# Altium PCB PCB_Kasli.PCBDOC (part 6 of 16)
Units mm, origin at the board's own origin, x right, y up, seen from the top; angles counter-clockwise.
Board outline 200.3 x 100 mm, 6 copper layers (TopLayer, MidLayer1, MidLayer2, SignalLayer1, Internal Plane 1, BottomLayer), stack 1.528 mm thick; 775 components, 636 nets, 3136 pads, 1724 vias.
Unrouted connection lines stored in the file: 7.
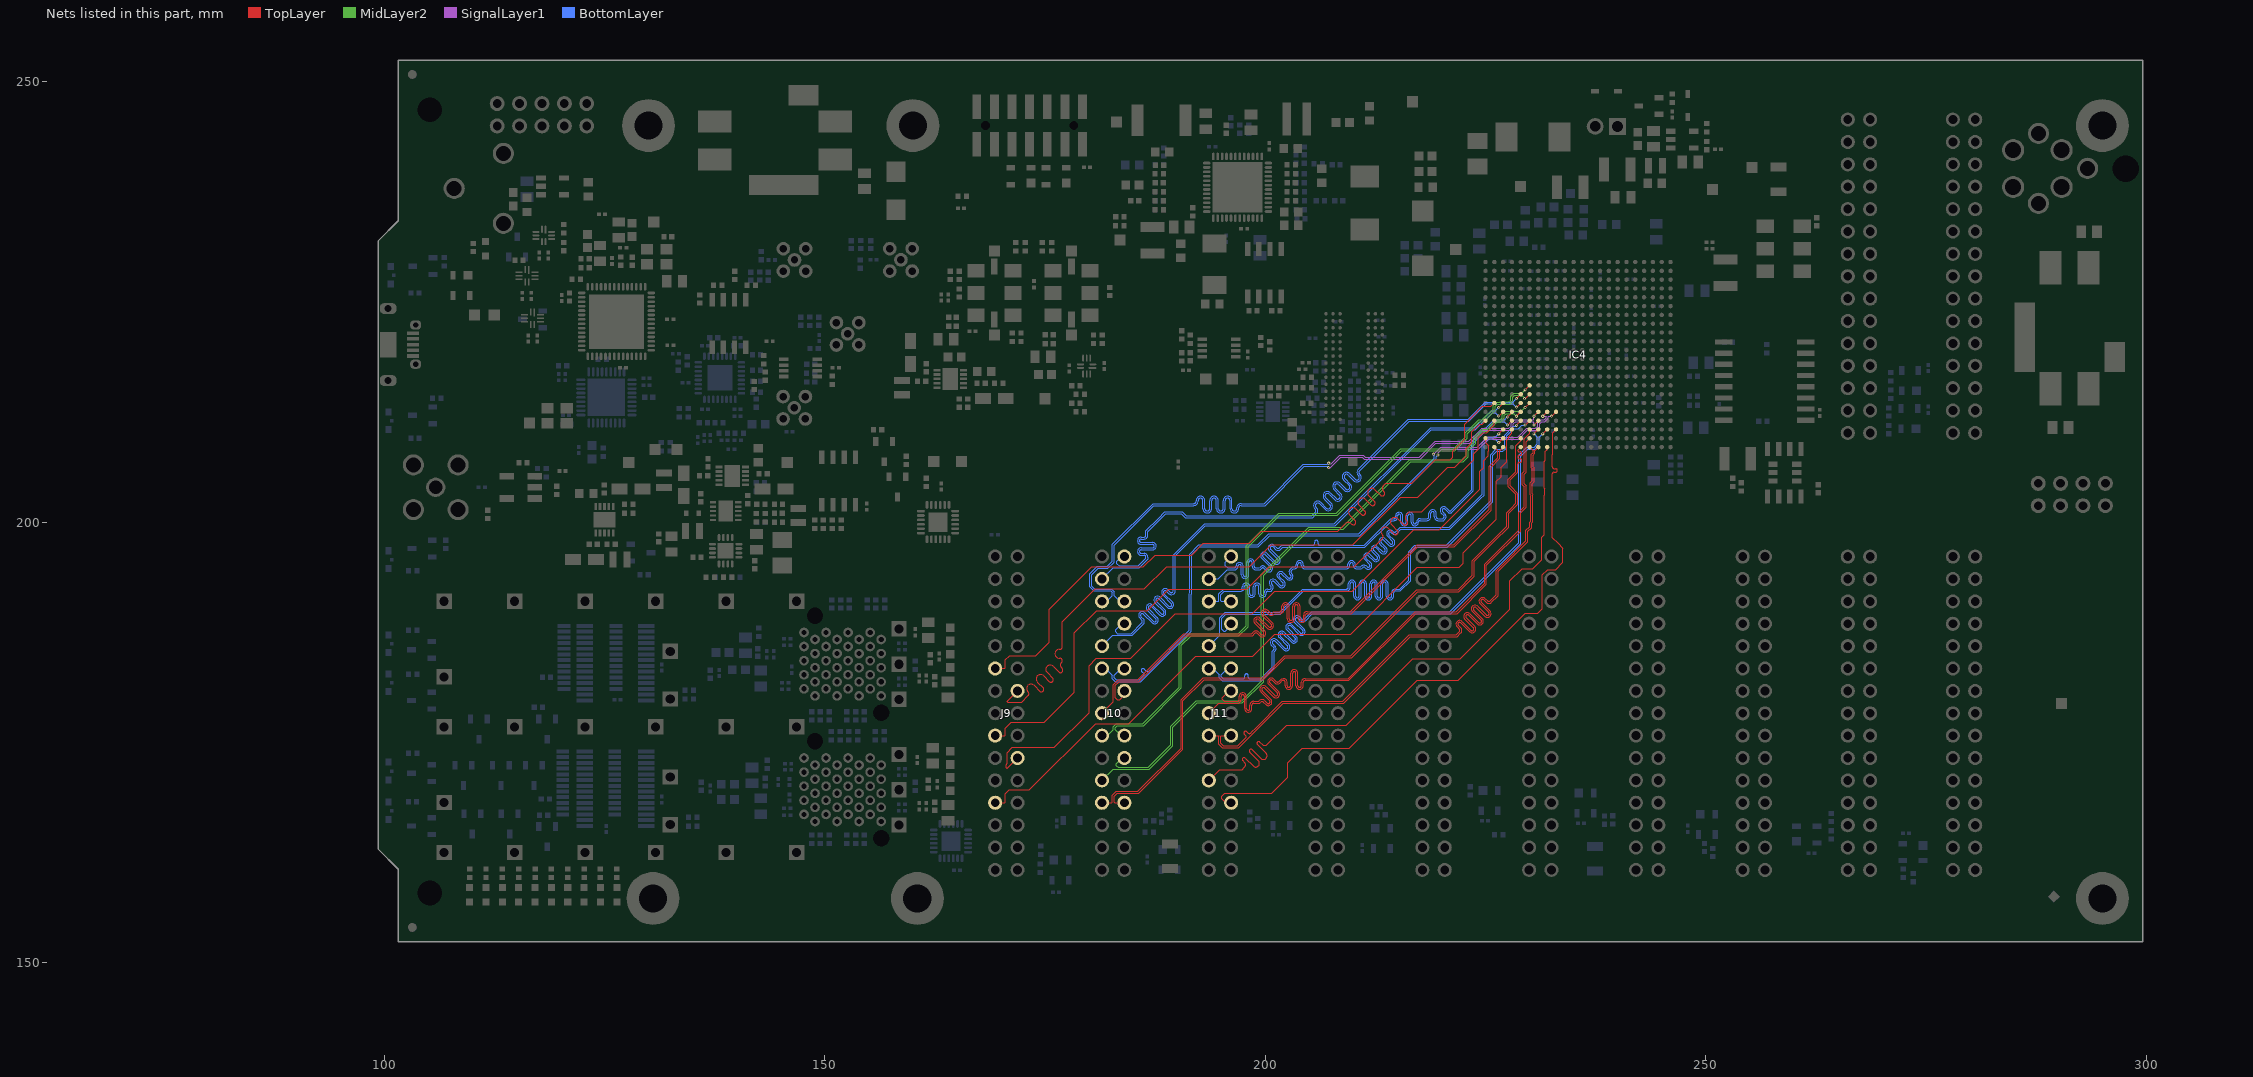
[diagram p10: the nets of this part, all layers, seen from the top]

## Via types
v1: diameter 0.5, hole 0.2, TopLayer to BottomLayer, tented both sides, 845 vias
v2: diameter 0.35, hole 0.15, TopLayer to BottomLayer, tented both sides, 612 vias
v3: diameter 0.8, hole 0.5, TopLayer to BottomLayer, tented both sides, 144 vias
v4: diameter 0.8, hole 0.5, TopLayer to BottomLayer, 66 vias
v5: diameter 0.5, hole 0.2, TopLayer to BottomLayer, 57 vias

## Nets (pads, with @x,y where several pads share a name; then routed paths per layer and width w, separated by ;. In a path a pad name is that pad's centre, name@x,y a point inside that pad or via, vN(x,y) a via of type N, cw(c..) or ccw(c..) an arc to the next point about the centre after c; other vN are vias at no path point) (continued)
EXT0.LVDS_P3: IC4.U2 J9.11 | length 82.3
  TopLayer w0.095: J9.11@169.346,183.388 170.45,183.388 170.506,183.444 170.506,184.367 170.989,184.85 173.955,184.85 175.48,186.375 175.48,190.116 180.283,194.92 186.154,194.92 187.496,196.262 191.625,196.262 192.967,197.603 198.185,197.603 199.531,198.95 208.2,198.95 209.075,199.825 cw(c209.425,199.475) 209.774,199.825 209.82,199.779 ccw(c210.014,199.973) 210.208,199.779 ; 210.208,199.78 ccw(c210.014,199.973) 210.288,199.973 ccw(c210.014,199.973) 210.208,200.168 209.573,200.802 cw(c209.923,201.152) 209.573,201.502 cw(c209.923,201.152) 210.272,201.502 210.907,200.867 ccw(c211.101,201.061) 211.295,200.866 ccw(c211.101,201.061) 211.376,201.061 ccw(c211.101,201.061) 211.295,201.255 210.661,201.89 cw(c211.01,202.24) 210.661,202.589 ; 210.661,202.589 cw(c211.01,202.24) 211.36,202.589 211.995,201.954 ccw(c212.189,202.148) 212.383,201.954 ; 212.383,201.954 ccw(c212.189,202.148) 212.463,202.148 ccw(c212.189,202.148) 212.383,202.343 211.748,202.977 cw(c212.098,203.327) 211.748,203.677 cw(c212.098,203.327) 212.447,203.677 213.082,203.042 ccw(c213.276,203.236) 213.47,203.041 ; 213.471,203.042 ccw(c213.276,203.236) 213.551,203.236 ccw(c213.276,203.236) 213.471,203.43 213.425,203.476 cw(c213.775,203.825) 213.425,204.175 213.664,204.414 216.603,204.414 219.289,207.1 220.969,207.1 221.249,207.38 221.249,208.028 222.614,209.392 222.614,211.11 223.599,212.096 ; 223.599,212.096 224.628,213.125 225.022,213.125 225.601,213.125 IC4.U2@225.991,213.515
EXT0.LVDS_P4: IC4.W1 J9.14 | length 81.8
  TopLayer w0.095: J9.14@171.886,180.848 170.733,179.695 170.733,179.616 170.788,179.561 172.341,179.561 173.103,180.323 ccw(c172.908,180.517) 173.183,180.517 ccw(c172.908,180.517) 173.102,180.711 173.057,180.756 cw(c173.407,181.106) 173.057,181.456 cw(c173.407,181.106) 173.756,181.456 174.391,180.821 ccw(c174.585,181.015) 174.779,180.82 ; 174.779,180.821 ccw(c174.585,181.015) 174.86,181.015 ccw(c174.585,181.015) 174.779,181.209 174.144,181.844 cw(c174.494,182.193) 174.144,182.543 cw(c174.494,182.193) 174.844,182.543 175.479,181.908 ccw(c175.673,182.102) 175.866,181.908 ; 175.867,181.908 ccw(c175.673,182.102) 175.947,182.102 ccw(c175.673,182.102) 175.867,182.296 175.232,182.931 cw(c175.582,183.281) 175.232,183.631 cw(c175.582,183.281) 175.931,183.631 176.566,182.996 ccw(c176.76,183.19) 176.954,182.995 ccw(c176.76,183.19) 177.035,183.19 ccw(c176.76,183.19) 176.954,183.384 176.876,183.463 cw(c177.192,183.779) 176.876,184.096 176.955,184.175 176.955,184.287 ccw(c176.68,184.287) 176.68,184.561 176.616,184.561 cw(c176.616,185.056) 176.122,185.056 cw(c176.616,185.056) 176.616,185.55 176.68,185.55 ccw(c176.68,185.825) 176.955,185.825 176.955,188.666 180.719,192.43 186.281,192.43 188.787,194.936 198.185,194.936 200.683,197.434 209.934,197.434 215.345,202.845 217.295,202.845 220.695,206.245 221.524,206.245 222.178,206.899 222.787,207.508 222.787,208.372 223.431,209.015 223.431,210.227 224.328,211.125 224.601,211.125 IC4.W1@224.991,211.515
EXT0.LVDS_P5: IC4.W2 J9.17 | length 82.3
  TopLayer w0.095: J9.17@169.346,175.768 170.45,175.768 170.506,175.824 170.506,176.617 171.164,177.275 174.905,177.275 178.33,180.7 178.33,187.426 180.865,189.96 186.58,189.96 189.015,192.396 197.897,192.396 200.42,194.92 210.07,194.92 213.306,198.156 ccw(c213.112,198.35) 213.387,198.35 ccw(c213.112,198.35) 213.306,198.544 213.261,198.59 cw(c213.61,198.94) 213.261,199.289 cw(c213.61,198.94) 213.96,199.289 214.595,198.654 ccw(c214.789,198.848) 214.983,198.654 ; 214.983,198.654 ccw(c214.789,198.848) 215.063,198.848 ccw(c214.789,198.848) 214.983,199.043 214.348,199.677 cw(c214.698,200.027) 214.348,200.377 cw(c214.698,200.027) 215.047,200.377 215.682,199.742 ccw(c215.876,199.936) 216.07,199.741 ccw(c215.876,199.936) 216.151,199.936 ccw(c215.876,199.936) 216.071,200.13 216.025,200.176 cw(c216.375,200.525) 216.025,200.875 216.345,201.195 217.769,201.195 223.651,207.076 223.651,207.737 224.193,208.279 224.193,209.574 224.747,210.129 225.151,210.129 225.605,210.582 225.605,210.675 225.991,211.061 IC4.W2@225.991,211.515
EXT0.LVDS_P6: IC4.AA1 J9.20 | length 79.1
  TopLayer w0.095: J9.20@171.886,173.228 170.733,172.075 170.654,172.075 170.598,172.131 170.598,172.487 170.725,172.614 170.725,173.85 171.305,174.43 176.071,174.43 180,178.359 180,183.715 180.825,184.54 184.721,184.54 189.801,189.62 198.513,189.62 201.045,192.151 209.862,192.151 216.861,199.15 219.766,199.15 224.345,203.729 224.345,205.759 224.768,206.182 224.768,206.968 225.318,207.518 225.318,208.025 225.378,208.084 225.378,208.675 225.151,208.901 225.089,208.901 225.089,208.964 224.991,209.061 IC4.AA1@224.991,209.515
EXT0.LVDS_P7: IC4.Y4 J9.23 | length 82.4
  TopLayer w0.095: J9.23@169.346,168.148 170.45,168.148 170.506,168.204 170.506,169.192 170.939,169.625 173.225,169.625 180.74,177.14 184.503,177.14 192.114,184.751 198.551,184.751 201.1,187.3 209.7,187.3 217.269,194.869 222.018,194.869 222.465,195.316 222.465,196.54 226.23,200.305 226.23,204.641 226.762,205.173 226.762,206.251 227.378,206.866 227.378,209.283 227.605,209.511 227.605,209.675 227.991,210.061 IC4.Y4@227.991,210.515
EXT1.LVDS_N0: IC4.U5 J10.3 | length 73.3
  TopLayer w0.095: v2(228.494,213.05) 228.526,213.05 IC4.U5@228.991,213.515
  BottomLayer w0.095: J10.3@181.465,193.548 182.718,194.801 185.676,194.801 186.668,195.794 186.668,196.037 ccw(c186.251,196.037) 186.251,196.455 185.91,196.455 cw(c185.91,196.652) 185.712,196.652 cw(c185.91,196.652) 185.91,196.85 187.207,196.85 ccw(c187.207,197.267) 187.624,197.267 ccw(c187.207,197.267) 187.207,197.685 185.91,197.685 cw(c185.91,197.882) 185.712,197.882 cw(c185.91,197.882) 185.91,198.08 186.251,198.08 ccw(c186.251,198.497) 186.668,198.497 186.668,198.919 188.699,200.95 190.475,200.95 190.909,200.516 205.386,200.516 205.81,200.94 ccw(c205.46,201.29) 205.955,201.29 ccw(c205.46,201.29) 205.81,201.64 205.764,201.685 cw(c205.958,201.879) 205.764,202.073 ; 205.765,202.074 cw(c205.958,201.879) 206.152,202.073 206.787,201.439 ccw(c207.137,201.788) 207.487,201.439 ccw(c207.137,201.788) 207.631,201.788 ccw(c207.137,201.788) 207.487,202.138 206.852,202.773 cw(c207.046,202.967) 206.851,203.16 cw(c207.046,202.967) 207.24,203.161 207.875,202.526 ccw(c208.224,202.876) 208.574,202.526 ccw(c208.224,202.876) 208.719,202.876 ccw(c208.224,202.876) 208.574,203.225 207.939,203.86 cw(c208.133,204.054) 207.939,204.248 ; 207.939,204.248 cw(c208.133,204.054) 208.327,204.248 208.962,203.614 ccw(c209.312,203.963) 209.662,203.614 ccw(c209.312,203.963) 209.806,203.963 ccw(c209.312,203.963) 209.662,204.313 209.027,204.948 cw(c209.221,205.142) 209.026,205.336 cw(c209.221,205.142) 209.415,205.336 210.05,204.701 ccw(c210.399,205.051) 210.749,204.701 ccw(c210.399,205.051) 210.894,205.051 ccw(c210.399,205.051) 210.749,205.4 210.704,205.446 cw(c210.898,205.64) 210.704,205.834 216.324,211.455 216.6,211.455 223.108,211.455 225.058,213.405 226.222,213.405 226.234,213.393 226.725,213.393 226.738,213.405 228.101,213.405 228.456,213.05 v2(228.494,213.05)
EXT1.LVDS_N1: IC4.W7 J10.6 | length 73.8
  TopLayer w0.095: v2(230.491,211.015) IC4.W7@230.991,211.515
  SignalLayer1 w0.115: v2@207.123,206.112 207.3,206.112 208.546,207.357 211.009,207.357 211.219,207.147 217.581,207.147 219.36,208.926 223.195,208.926 224.595,210.325 ; 224.598,210.322 224.674,210.397 226.65,210.397 227.747,210.397 228.145,210.795 228.145,211.14 228.403,211.397 229.981,211.397 230.424,211.397 230.491,211.33 v2(230.491,211.015)
  BottomLayer w0.095: J10.6@184.005,191.008 183.485,191.008 182.85,191.643 182.85,192.115 182.56,192.405 180.648,192.405 180.318,192.735 180.318,193.35 180.318,194.049 181.019,194.75 182.144,194.75 182.864,195.47 182.864,197.384 187.36,201.879 188.078,201.879 191.875,201.879 ccw(c191.875,202.374) 192.37,202.374 192.37,202.438 cw(c192.644,202.438) 192.919,202.438 192.919,201.54 ccw(c193.413,201.54) 193.908,201.54 193.908,202.438 cw(c194.182,202.438) 194.457,202.438 194.457,201.54 ccw(c194.951,201.54) 195.446,201.54 195.446,202.438 cw(c195.72,202.438) 195.995,202.438 195.995,201.54 ccw(c196.489,201.54) 196.984,201.54 196.984,201.605 cw(c197.258,201.605) 197.258,201.879 199.966,201.879 204.41,206.323 206.259,206.323 206.268,206.332 207.008,206.332 207.16,206.181 v2(207.191,206.181)
EXT1.LVDS_N2: IC4.V3 J10.9 | length 71.1
  TopLayer w0.095: v2(226.486,212.035) 226.512,212.035 IC4.V3@226.991,212.515
  BottomLayer w0.095: J10.9@181.465,185.928 182.667,187.13 184.873,187.13 186.16,188.417 ccw(c185.865,188.712) 186.282,188.712 ccw(c185.865,188.712) 186.16,189.008 185.888,189.28 cw(c186.028,189.42) 185.888,189.559 cw(c186.028,189.42) 186.167,189.559 187.147,188.58 ccw(c187.442,188.875) 187.737,188.58 ccw(c187.442,188.875) 187.859,188.875 ccw(c187.442,188.875) 187.737,189.17 186.758,190.15 cw(c186.897,190.289) 186.757,190.429 cw(c186.897,190.289) 187.037,190.429 188.016,189.45 ccw(c188.312,189.745) 188.607,189.45 ccw(c188.312,189.745) 188.729,189.745 ccw(c188.312,189.745) 188.607,190.04 187.627,191.019 cw(c187.767,191.159) 187.627,191.298 cw(c187.767,191.159) 187.907,191.299 188.886,190.319 ccw(c189.181,190.615) 189.477,190.319 ccw(c189.181,190.615) 189.599,190.615 ccw(c189.181,190.615) 189.477,190.91 188.497,191.889 cw(c188.637,192.029) 188.497,192.168 ; 188.498,192.169 cw(c188.637,192.029) 188.776,192.168 189.049,191.896 ccw(c189.344,192.191) 189.639,191.896 189.794,192.051 189.794,196.165 193.196,199.568 207.943,199.568 218.848,210.473 223.803,210.473 225.735,212.405 226.101,212.405 226.471,212.035 v2(226.486,212.035)
EXT1.LVDS_N3: IC4.V8 J10.12 | length 71.3
  TopLayer w0.095: v2(231.491,212.015) IC4.V8@231.991,212.515
  SignalLayer1 w0.115: v2@219.01,207.636 219.053,207.636 v2@219.1,207.683 ; v2(219.079,207.705) 219.122,207.705 219.523,208.106 219.526,208.106 219.902,208.482 224.045,208.482 225.24,209.678 225.993,209.678 226.038,209.632 226.393,209.632 226.747,209.632 228.65,209.632 229.65,210.632 230.65,210.632 230.904,210.886 230.904,211.259 231.269,211.624 231.641,211.624 231.874,211.857 231.874,211.953 231.807,212.02 231.496,212.02 v2(231.491,212.015)
  BottomLayer w0.095: J10.12@184.005,183.388 183.646,183.388 182.858,182.601 182.858,182.321 183.064,182.116 185.77,182.116 186.194,182.54 ccw(c186.055,182.679) 186.194,182.819 185.979,183.035 cw(c186.118,183.174) 185.979,183.314 cw(c186.118,183.174) 186.258,183.314 186.474,183.098 ccw(c186.613,183.238) 186.753,183.098 186.862,183.207 191.362,187.707 191.362,191.892 191.427,191.956 191.427,196.376 192.472,197.421 199.121,197.421 200.395,198.696 210.622,198.696 219.189,207.262 219.189,207.526 219.079,207.636 v2(219.079,207.705)
EXT1.LVDS_N4: IC4.AB2 J10.15 | length 75.7
  TopLayer w0.095: J10.15@181.465,178.308 182.74,179.583 182.74,181.549 183.309,182.118 185.519,182.118 190.743,187.342 198.464,187.342 198.644,187.522 cw(c198.939,187.226) 199.235,187.522 199.507,187.249 ccw(c199.646,187.389) 199.786,187.249 ccw(c199.646,187.389) 199.844,187.389 ccw(c199.646,187.389) 199.786,187.529 198.807,188.508 cw(c199.102,188.803) 199.397,189.098 200.377,188.119 ccw(c200.516,188.259) 200.655,188.119 ; 200.656,188.119 ccw(c200.516,188.259) 200.714,188.259 ccw(c200.516,188.259) 200.656,188.398 199.677,189.378 cw(c199.972,189.673) 200.267,189.968 200.539,189.696 ccw(c200.679,189.836) 200.818,189.696 200.962,189.84 201.678,189.84 ccw(c201.678,190.037) 201.875,190.037 201.875,190.422 cw(c202.293,190.422) 202.293,190.84 cw(c202.293,190.422) 202.71,190.422 202.71,189.037 ccw(c202.908,189.037) 202.908,188.84 ccw(c202.908,189.037) 203.106,189.037 203.106,190.422 cw(c203.523,190.422) 203.523,190.84 cw(c203.523,190.422) 203.941,190.422 203.941,189.037 ccw(c204.138,189.037) 204.138,188.84 ccw(c204.138,189.037) 204.336,189.037 204.336,189.422 cw(c204.753,189.422) 204.753,189.84 209.649,189.84 217.235,197.426 221.379,197.426 225.412,201.459 225.412,202.051 225.412,206.251 225.412,206.342 226.381,207.311 226.381,208.125 IC4.AB2@225.991,208.515
EXT1.LVDS_N5: IC4.T6 J10.18 | length 73.5
  TopLayer w0.095: v2(229.416,214.004) 229.48,214.004 IC4.T6@229.991,214.515
  MidLayer2 w0.115: J10.18@184.005,175.768 183.671,175.768 182.985,176.454 182.985,176.657 183.207,176.879 186.181,176.879 190.478,181.176 190.478,185.998 191.57,187.09 197.002,187.09 198.047,188.136 198.047,197.199 201.629,200.781 208.138,200.781 215.469,208.111 221.493,208.111 222.92,209.539 222.92,210.016 223.625,210.721 223.625,210.727 224.295,211.397 224.747,211.397 224.762,211.412 224.794,211.412 226.094,212.713 226.094,213.146 226.316,213.368 226.736,213.368 226.765,213.397 227.747,213.397 228.109,213.759 228.109,214.189 228.317,214.397 229.109,214.397 229.416,214.09 v2(229.416,214.004)
EXT1.LVDS_N6: IC4.V5 J10.21 | length 74.3
  TopLayer w0.095: v2(228.491,212.015) IC4.V5@228.991,212.515
  MidLayer2 w0.115: J10.21@181.465,170.688 182.729,171.952 186.835,171.952 189.513,174.629 189.513,176.733 192.25,179.47 197.408,179.47 199.8,181.862 199.8,193.954 205.026,199.18 208.836,199.18 216.512,206.856 222.468,206.856 223.016,207.404 223.016,208.08 223.911,208.976 223.911,209.483 224.752,210.324 225.259,210.324 226.019,211.084 226.333,211.398 226.747,211.398 227.109,211.759 227.109,212.105 227.321,212.318 228.189,212.318 v2(228.491,212.015)
EXT1.LVDS_N7: IC4.AB5 J10.24 | length 75.1
  TopLayer w0.095: J10.24@184.005,168.148 182.901,168.148 182.845,168.204 182.845,168.884 183.185,169.223 185.642,169.223 190.656,174.238 190.656,179.73 193.044,182.118 199.791,182.118 202.281,184.607 209.799,184.607 217.301,192.109 221.972,192.109 223.727,193.863 223.727,195.541 226.068,197.882 227.619,199.434 227.619,200.996 228.286,201.664 228.644,202.022 228.644,203.242 227.781,204.106 227.781,204.781 228.644,205.644 228.644,206.375 228.644,206.588 cw(c228.842,206.588) 228.842,206.785 228.918,206.785 ccw(c228.918,206.983) 229.116,206.983 ccw(c228.918,206.983) 228.918,207.18 228.842,207.18 cw(c228.842,207.378) 228.644,207.378 cw(c228.842,207.378) 228.842,207.575 228.918,207.575 ccw(c228.918,207.773) 229.116,207.773 ccw(c228.918,207.773) 228.918,207.97 228.842,207.97 cw(c228.842,208.168) 228.644,208.168 IC4.AB5@228.991,208.515
EXT1.LVDS_P0: IC4.T5 J10.2 | length 73.1
  TopLayer w0.095: v2(228.491,214.015) IC4.T5@228.991,214.515
  BottomLayer w0.095: J10.2@184.005,196.088 183.722,196.088 183.163,195.529 183.163,195.275 183.417,195.021 185.585,195.021 186.448,195.885 186.448,196.037 ccw(c186.251,196.037) 186.251,196.235 185.91,196.235 cw(c185.91,196.652) 185.492,196.652 cw(c185.91,196.652) 185.91,197.07 187.207,197.07 ccw(c187.207,197.267) 187.404,197.267 ccw(c187.207,197.267) 187.207,197.465 185.91,197.465 cw(c185.91,197.882) 185.492,197.882 cw(c185.91,197.882) 185.91,198.3 186.251,198.3 ccw(c186.251,198.497) 186.448,198.497 186.448,199.011 ; 186.592,199.154 186.448,199.011 ; 188.109,200.672 187.896,200.459 ccw(c188.192,200.164) 187.895,200.457 ; 207.331,201.594 cw(c207.137,201.788) 206.943,201.594 206.308,202.229 ccw(c205.958,201.879) 205.609,202.229 ccw(c205.958,201.879) 205.609,201.53 205.654,201.484 cw(c205.46,201.29) 205.735,201.29 cw(c205.46,201.29) 205.654,201.096 205.294,200.736 192.65,200.736 191,200.736 190.566,201.17 188.608,201.17 187.895,200.457 ; 207.331,201.594 ccw(c207.137,201.788) 207.411,201.788 ccw(c207.137,201.788) 207.331,201.982 206.696,202.617 cw(c207.046,202.967) 206.696,203.316 cw(c207.046,202.967) 207.395,203.316 208.03,202.682 ccw(c208.224,202.876) 208.418,202.681 ; 208.419,202.682 ccw(c208.224,202.876) 208.499,202.876 ccw(c208.224,202.876) 208.419,203.07 207.784,203.705 cw(c208.133,204.054) 207.784,204.404 cw(c208.133,204.054) 208.483,204.404 209.118,203.769 ccw(c209.312,203.963) 209.505,203.769 ccw(c209.312,203.963) 209.586,203.963 ccw(c209.312,203.963) 209.506,204.157 208.871,204.792 cw(c209.221,205.142) 208.871,205.492 cw(c209.221,205.142) 209.571,205.492 210.205,204.857 ccw(c210.399,205.051) 210.593,204.856 ; 210.594,204.857 ccw(c210.399,205.051) 210.674,205.051 ccw(c210.399,205.051) 210.594,205.245 210.548,205.29 cw(c210.898,205.64) 210.548,205.99 216.233,211.675 216.509,211.675 223.017,211.675 224.967,213.625 225.278,213.625 226.313,213.625 226.326,213.613 226.634,213.613 226.646,213.625 228.101,213.625 v2(228.491,214.015) ; 186.448,199.011 187.895,200.457
EXT1.LVDS_P1: IC4.V7 J10.5 | length 74.1
  TopLayer w0.095: v2(230.491,212.015) IC4.V7@230.991,212.515
  SignalLayer1 w0.115: v2@207.135,206.606 207.462,206.606 208.153,207.297 208.449,207.593 211.106,207.593 211.317,207.382 217.484,207.382 219.263,209.161 223.098,209.161 224.494,210.557 224.501,210.557 224.576,210.632 226.747,210.632 227.65,210.632 227.91,210.893 227.91,211.237 228.305,211.632 229.884,211.632 230.424,211.632 230.491,211.7 v2(230.491,212.015)
  BottomLayer w0.095: J10.5@181.465,191.008 181.995,191.008 182.63,191.643 182.63,192.024 182.469,192.185 180.557,192.185 180.098,192.644 180.098,193.35 180.098,194.14 180.928,194.97 182.053,194.97 182.644,195.561 182.644,197.475 187.269,202.099 188.078,202.099 191.875,202.099 ccw(c191.875,202.374) 192.15,202.374 192.15,202.438 cw(c192.644,202.438) 193.139,202.438 193.139,201.54 ccw(c193.413,201.54) 193.688,201.54 193.688,202.438 cw(c194.182,202.438) 194.677,202.438 194.677,201.54 ccw(c194.951,201.54) 195.226,201.54 195.226,202.438 cw(c195.72,202.438) 196.215,202.438 196.215,201.54 ccw(c196.489,201.54) 196.764,201.54 196.764,201.605 cw(c197.258,201.605) 197.258,202.099 199.875,202.099 204.319,206.543 206.167,206.543 206.177,206.552 207.021,206.552 207.154,206.685 v2(207.204,206.685)
EXT1.LVDS_P2: IC4.U3 J10.8 | length 70.7
  TopLayer w0.095: v2(226.48,212.985) 226.48,213.003 IC4.U3@226.991,213.515
  BottomLayer w0.095: J10.8@184.005,188.468 183.747,188.468 183.036,187.757 183.036,187.528 183.214,187.35 184.782,187.35 186.005,188.573 ccw(c185.865,188.712) 186.062,188.712 ccw(c185.865,188.712) 186.005,188.852 185.732,189.124 cw(c186.028,189.42) 185.732,189.715 cw(c186.028,189.42) 186.323,189.715 187.302,188.735 ccw(c187.442,188.875) 187.581,188.735 ; 187.581,188.735 ccw(c187.442,188.875) 187.639,188.875 ccw(c187.442,188.875) 187.581,189.015 186.602,189.994 cw(c186.897,190.289) 186.602,190.584 cw(c186.897,190.289) 187.193,190.584 188.172,189.605 ccw(c188.312,189.745) 188.451,189.605 ; 188.451,189.605 ccw(c188.312,189.745) 188.509,189.745 ccw(c188.312,189.745) 188.451,189.884 187.472,190.864 cw(c187.767,191.159) 187.472,191.454 cw(c187.767,191.159) 188.062,191.454 189.042,190.475 ccw(c189.181,190.615) 189.321,190.474 ; 189.321,190.475 ccw(c189.181,190.615) 189.379,190.615 ccw(c189.181,190.615) 189.321,190.754 188.342,191.734 cw(c188.637,192.029) 188.342,192.324 cw(c188.637,192.029) 188.932,192.324 189.204,192.052 ccw(c189.344,192.191) 189.484,192.052 189.574,192.142 189.574,196.257 193.105,199.788 207.852,199.788 218.757,210.693 223.712,210.693 225.643,212.625 226.101,212.625 226.462,212.985 v2(226.48,212.985)
EXT1.LVDS_P3: IC4.V9 J10.11 | length 71.4
  TopLayer w0.095: v2(232.491,212.025) 232.501,212.025 IC4.V9@232.991,212.515
  SignalLayer1 w0.1: 229.875,210.385 230.703,210.385 230.715,210.397
  SignalLayer1 w0.115: v2(219.58,207.61) 219.623,207.654 219.623,207.871 219.999,208.247 224.142,208.247 225.338,209.443 225.896,209.443 225.941,209.397 226.295,209.397 226.65,209.397 228.747,209.397 229.747,210.397 230.715,210.397 230.747,210.397 231.139,210.789 231.139,211.162 231.366,211.389 231.738,211.389 232.109,211.76 232.109,211.953 232.176,212.02 232.486,212.02 v2(232.491,212.025)
  BottomLayer w0.095: J10.11@181.658,183.388 181.851,183.388 182.638,182.601 182.638,182.23 182.973,181.896 185.862,181.896 191.582,187.616 191.582,191.801 191.647,191.865 191.647,196.285 192.563,197.201 199.212,197.201 200.486,198.476 210.713,198.476 219.409,207.171 219.409,207.427 219.58,207.598 v2(219.58,207.61)
EXT1.LVDS_P4: IC4.AB3 J10.14 | length 74.7
  TopLayer w0.095: J10.14@184.005,180.395 183.468,179.857 183.188,179.857 182.96,180.086 182.96,181.458 183.4,181.898 185.61,181.898 190.834,187.122 198.555,187.122 198.8,187.366 cw(c198.939,187.226) 199.079,187.366 199.351,187.094 ccw(c199.646,187.389) 200.064,187.389 ccw(c199.646,187.389) 199.942,187.684 198.962,188.664 cw(c199.102,188.803) 198.962,188.943 cw(c199.102,188.803) 199.242,188.943 200.221,187.964 ccw(c200.516,188.259) 200.934,188.259 ccw(c200.516,188.259) 200.811,188.554 199.832,189.533 cw(c199.972,189.673) 199.832,189.812 ; 199.832,189.813 cw(c199.972,189.673) 200.111,189.813 200.384,189.54 ccw(c200.679,189.836) 200.974,189.54 201.053,189.62 201.678,189.62 ccw(c201.678,190.037) 202.095,190.037 202.095,190.422 cw(c202.293,190.422) 202.293,190.62 cw(c202.293,190.422) 202.49,190.422 202.49,189.037 ccw(c202.908,189.037) 202.908,188.62 ccw(c202.908,189.037) 203.326,189.037 203.326,190.422 cw(c203.523,190.422) 203.523,190.62 cw(c203.523,190.422) 203.721,190.422 203.721,189.037 ccw(c204.138,189.037) 204.138,188.62 ccw(c204.138,189.037) 204.556,189.037 204.556,189.422 cw(c204.753,189.422) 204.753,189.62 209.74,189.62 217.326,197.206 221.47,197.206 225.632,201.367 225.632,206.251 226.601,207.22 226.601,208.125 IC4.AB3@226.991,208.515
EXT1.LVDS_P5: IC4.R6 J10.17 | length 74.1
  TopLayer w0.095: v2(229.491,215.015) IC4.R6@229.991,215.515
  MidLayer2 w0.115: J10.17@181.465,175.768 182.064,175.768 182.75,176.454 182.75,176.754 183.11,177.114 186.084,177.114 190.243,181.273 190.243,186.095 191.473,187.325 196.904,187.325 197.812,188.233 197.812,197.297 201.531,201.016 208.041,201.016 215.371,208.346 221.395,208.346 222.685,209.636 222.685,210.114 223.299,210.727 223.299,210.734 224.198,211.632 224.65,211.632 224.664,211.647 224.696,211.647 225.859,212.81 225.859,213.243 226.219,213.603 226.638,213.603 226.668,213.632 227.65,213.632 227.874,213.857 227.874,214.287 228.22,214.632 229.109,214.632 v2(229.491,215.015)
EXT1.LVDS_P6: IC4.U6 J10.20 | length 74.4
  TopLayer w0.095: v2(229.491,213.015) IC4.U6@229.991,213.515
  MidLayer2 w0.115: J10.20@183.773,173.228 183.112,172.568 183.112,172.364 183.29,172.187 186.738,172.187 189.278,174.727 189.278,176.831 192.152,179.705 197.311,179.705 199.565,181.959 199.565,194.052 204.929,199.415 208.739,199.415 216.415,207.091 222.37,207.091 222.781,207.502 222.781,208.177 223.676,209.073 223.676,209.58 224.654,210.559 225.162,210.559 225.784,211.181 226.236,211.633 226.65,211.633 226.874,211.857 226.874,212.202 227.224,212.553 229.029,212.553 v2(229.491,213.015)
EXT1.LVDS_P7: IC4.AA5 J10.23 | length 74.9
  TopLayer w0.095: J10.23@181.465,168.148 182.569,168.148 182.625,168.204 182.625,168.975 183.093,169.443 185.551,169.443 190.436,174.329 190.436,179.822 192.952,182.338 199.7,182.338 202.189,184.827 209.708,184.827 217.209,192.329 221.881,192.329 223.507,193.954 223.507,195.632 225.912,198.038 227.399,199.525 227.399,201.087 228.131,201.819 228.195,201.884 228.424,202.113 228.424,203.151 227.561,204.014 227.561,204.872 228.424,205.736 228.424,206.375 228.424,208.65 228.991,209.218 IC4.AA5@228.991,209.515
EXT2.LVDS_N0: IC4.W4 J11.3 | length 63.1
  TopLayer w0.095: v2(227.491,211.015) IC4.W4@227.991,211.515
  BottomLayer w0.095: J11.3@193.584,193.548 194.643,193.548 195.693,194.598 196.504,194.598 ccw(c196.504,194.984) 196.89,194.984 cw(c197.088,194.984) 197.088,195.182 cw(c197.088,194.984) 197.285,194.984 197.285,194.015 ccw(c197.703,194.015) 197.703,193.598 ccw(c197.703,194.015) 198.12,194.015 198.12,195.4 cw(c198.318,195.4) 198.318,195.598 cw(c198.318,195.4) 198.515,195.4 198.515,195.016 ccw(c198.933,195.016) 198.933,194.598 199.428,194.598 199.571,194.742 cw(c199.711,194.602) 199.85,194.742 200.123,194.469 ccw(c200.418,194.765) 200.713,194.469 ccw(c200.418,194.765) 200.835,194.765 ccw(c200.418,194.765) 200.713,195.06 199.734,196.039 cw(c199.873,196.179) 199.733,196.318 ; 199.734,196.319 cw(c199.873,196.179) 200.013,196.318 200.992,195.339 ccw(c201.288,195.634) 201.583,195.339 ccw(c201.288,195.634) 201.705,195.634 ccw(c201.288,195.634) 201.583,195.93 200.604,196.909 cw(c200.743,197.049) 200.603,197.188 ; 200.604,197.188 cw(c200.743,197.049) 200.883,197.188 201.155,196.916 ccw(c201.45,197.211) 201.746,196.916 201.965,197.136 211.31,197.136 214.354,200.18 214.644,200.18 ccw(c214.644,200.537) 215.002,200.537 215.002,200.692 cw(c215.189,200.692) 215.377,200.692 215.377,199.991 ccw(c215.784,199.991) 216.192,199.991 216.192,200.692 cw(c216.379,200.692) 216.567,200.692 216.567,199.991 ccw(c216.974,199.991) 217.382,199.991 cw(c217.569,199.992) 217.569,200.18 218.367,200.18 ccw(c218.367,200.598) 218.785,200.598 218.785,200.982 cw(c218.982,200.982) 219.18,200.982 219.18,200.598 ccw(c219.597,200.598) 219.597,200.18 220.25,200.18 220.393,200.323 ccw(c220.098,200.619) 220.515,200.619 ccw(c220.098,200.619) 220.393,200.914 220.121,201.186 cw(c220.261,201.326) 220.121,201.466 cw(c220.261,201.326) 220.4,201.466 220.749,201.117 ccw(c220.968,201.336) 221.187,201.117 223.625,203.556 223.625,204.771 223.625,208.971 223.84,209.185 226.019,211.365 226.315,211.365 226.337,211.387 227.119,211.387 v2(227.491,211.015)
EXT2.LVDS_N1: IC4.AA3 J11.6 | length 64.1
  TopLayer w0.095: v2(226.491,209.015) IC4.AA3@226.991,209.515
  BottomLayer w0.095: J11.6@196.124,191.008 195.02,191.008 194.964,191.064 194.964,191.757 195.367,192.16 197.209,192.16 ccw(c197.209,192.577) 197.627,192.577 197.627,192.662 cw(c197.824,192.662) 197.824,192.86 cw(c197.824,192.662) 198.022,192.662 198.022,191.877 ccw(c198.439,191.877) 198.439,191.46 ccw(c198.439,191.877) 198.857,191.877 198.857,192.662 cw(c199.054,192.662) 199.054,192.86 cw(c199.054,192.662) 199.252,192.662 199.252,191.877 ccw(c199.669,191.877) 199.669,191.46 ccw(c199.669,191.877) 200.087,191.877 200.087,191.962 cw(c200.284,191.962) 200.284,192.16 200.647,192.16 200.79,192.303 ccw(c200.495,192.598) 200.913,192.598 ccw(c200.495,192.598) 200.79,192.894 200.73,192.954 cw(c200.87,193.093) 200.73,193.233 ; 200.731,193.233 cw(c200.87,193.093) 201.01,193.233 201.565,192.678 ccw(c201.86,192.973) 202.155,192.678 ccw(c201.86,192.973) 202.277,192.973 ccw(c201.86,192.973) 202.155,193.268 201.6,193.823 cw(c201.74,193.963) 201.6,194.102 ; 201.6,194.103 cw(c201.74,193.963) 201.879,194.103 202.434,193.548 ccw(c202.73,193.843) 203.025,193.548 ccw(c202.73,193.843) 203.147,193.843 ccw(c202.73,193.843) 203.025,194.138 202.965,194.198 cw(c203.104,194.338) 202.965,194.478 203.178,194.691 203.29,194.691 ccw(c203.29,195.108) 203.708,195.108 203.708,195.193 cw(c203.905,195.193) 203.905,195.391 cw(c203.905,195.193) 204.103,195.193 204.103,195.109 ccw(c204.52,195.109) 204.52,194.691 209.173,194.691 ccw(c209.173,195.108) 209.59,195.108 209.59,195.193 cw(c209.788,195.193) 209.788,195.391 cw(c209.788,195.193) 209.985,195.193 209.985,195.109 ccw(c210.403,195.109) 210.403,194.691 210.907,194.691 211.05,194.835 cw(c211.19,194.695) 211.33,194.835 211.39,194.774 ccw(c211.685,195.07) 211.98,194.774 ccw(c211.685,195.07) 212.102,195.07 ccw(c211.685,195.07) 211.98,195.365 211.425,195.92 cw(c211.565,196.06) 211.425,196.199 ; 211.425,196.2 cw(c211.565,196.06) 211.704,196.199 212.259,195.644 ccw(c212.555,195.939) 212.85,195.644 ccw(c212.555,195.939) 212.972,195.939 ccw(c212.555,195.939) 212.85,196.235 212.295,196.79 cw(c212.434,196.929) 212.294,197.069 cw(c212.434,196.929) 212.574,197.069 213.129,196.514 ccw(c213.424,196.809) 213.72,196.514 ccw(c213.424,196.809) 213.842,196.809 ccw(c213.424,196.809) 213.72,197.104 213.164,197.659 cw(c213.304,197.799) 213.164,197.938 ; 213.165,197.939 cw(c213.304,197.799) 213.444,197.939 213.999,197.384 ccw(c214.294,197.679) 214.589,197.384 ccw(c214.294,197.679) 214.712,197.679 ccw(c214.294,197.679) 214.589,197.974 214.034,198.529 cw(c214.174,198.669) 214.034,198.808 cw(c214.174,198.669) 214.313,198.809 214.374,198.748 ccw(c214.669,199.044) 214.964,198.748 215.396,199.18 220.951,199.18 224.471,202.7 224.844,203.073 224.844,207.364 224.844,208.895 225.355,209.405 225.357,209.405 225.376,209.424 225.398,209.424 225.407,209.433 225.715,209.433 225.743,209.405 226.101,209.405 v2(226.491,209.015)
EXT2.LVDS_N2: IC4.W5 J11.9 | length 66.6
  TopLayer w0.095: v2(228.527,210.981) 228.527,211.051 IC4.W5@228.991,211.515
  BottomLayer w0.095: J11.9@193.584,185.928 194.83,187.174 194.83,189.169 195.442,189.78 201.631,189.78 204.255,192.405 209.223,192.405 ccw(c209.223,192.602) 209.421,192.602 209.421,192.987 cw(c209.838,192.987) 209.838,193.405 cw(c209.838,192.987) 210.256,192.987 210.256,191.602 ccw(c210.453,191.602) 210.453,191.405 ccw(c210.453,191.602) 210.651,191.602 210.651,192.987 cw(c211.068,192.987) 211.068,193.405 cw(c211.068,192.987) 211.486,192.987 211.486,191.602 ccw(c211.683,191.602) 211.683,191.405 ccw(c211.683,191.602) 211.881,191.602 211.881,192.987 cw(c212.298,192.987) 212.298,193.405 cw(c212.298,192.987) 212.716,192.987 212.716,191.602 ccw(c212.913,191.602) 212.913,191.405 ccw(c212.913,191.602) 213.111,191.602 213.111,192.987 cw(c213.528,192.987) 213.528,193.405 cw(c213.528,192.987) 213.946,192.987 213.946,191.602 ccw(c214.143,191.602) 214.143,191.405 ccw(c214.143,191.602) 214.341,191.602 214.341,191.987 cw(c214.758,191.987) 214.758,192.405 215.243,192.405 216.259,193.421 216.259,196.662 216.972,197.375 217.063,197.375 220.537,197.375 225.367,202.205 225.58,202.418 225.58,207.661 226.169,208.25 226.869,208.25 227.119,208.499 227.174,208.555 227.174,209.88 228.146,210.852 228.398,210.852 v2(228.527,210.981)
EXT2.LVDS_N3: IC4.Y7 J11.12 | length 69.9
  TopLayer w0.095: v2(230.48,210.01) 230.483,210.007 IC4.Y7@230.991,210.515
  BottomLayer w0.095: J11.12@196.124,183.388 195.736,183.388 194.999,182.651 194.999,182.448 195.228,182.22 197.469,182.22 ccw(c197.469,182.417) 197.667,182.417 197.667,182.578 cw(c197.864,182.578) 197.864,182.776 cw(c197.864,182.578) 198.062,182.578 198.062,182.417 ccw(c198.259,182.417) 198.259,182.22 198.457,182.22 198.919,182.22 199.478,182.22 200.799,183.54 200.799,185.359 200.943,185.502 ccw(c200.803,185.642) 201.001,185.642 ccw(c200.803,185.642) 200.943,185.782 200.689,186.036 cw(c200.984,186.331) 200.689,186.626 cw(c200.984,186.331) 201.279,186.626 202.222,185.683 ccw(c202.362,185.823) 202.501,185.683 ccw(c202.362,185.823) 202.559,185.823 ccw(c202.362,185.823) 202.502,185.962 201.558,186.906 cw(c201.854,187.201) 201.558,187.496 cw(c201.854,187.201) 202.149,187.496 203.092,186.553 ccw(c203.232,186.692) 203.371,186.552 ccw(c203.232,186.692) 203.429,186.692 ccw(c203.232,186.692) 203.371,186.832 202.428,187.775 cw(c202.723,188.071) 202.428,188.366 cw(c202.723,188.071) 203.019,188.366 203.962,187.423 ccw(c204.101,187.562) 204.241,187.422 ; 204.241,187.422 ccw(c204.101,187.562) 204.299,187.562 ccw(c204.101,187.562) 204.241,187.702 203.298,188.645 cw(c203.593,188.94) 203.298,189.235 cw(c203.593,188.94) 203.888,189.235 204.142,188.981 ccw(c204.282,189.121) 204.422,188.981 205.255,189.814 220.933,189.814 228.749,197.631 228.749,203.671 228.749,207.566 229.684,208.5 230.076,208.5 230.503,208.5 230.881,208.878 230.881,209.625 230.496,210.01 v2(230.48,210.01)
EXT2.LVDS_N4: IC4.AA6 J11.15 | length 71.1
  TopLayer w0.095: J11.15@193.584,178.308 194.711,179.434 196.828,179.434 ccw(c196.828,179.852) 197.246,179.852 197.246,180.21 cw(c197.443,180.21) 197.443,180.408 cw(c197.443,180.21) 197.641,180.21 197.641,178.852 ccw(c198.058,178.852) 198.058,178.434 ccw(c198.058,178.852) 198.476,178.852 198.476,179.237 cw(c198.673,179.237) 198.673,179.434 199.351,179.434 199.495,179.578 cw(c199.635,179.438) 199.774,179.578 200.047,179.306 ccw(c200.342,179.601) 200.637,179.306 ccw(c200.342,179.601) 200.759,179.601 ccw(c200.342,179.601) 200.637,179.896 199.658,180.875 cw(c199.797,181.015) 199.657,181.154 ; 199.658,181.155 cw(c199.797,181.015) 199.937,181.155 200.916,180.175 ccw(c201.211,180.471) 201.507,180.175 ccw(c201.211,180.471) 201.629,180.471 ccw(c201.211,180.471) 201.507,180.766 200.527,181.745 cw(c200.667,181.885) 200.527,182.024 ; 200.527,182.024 cw(c200.667,181.885) 200.807,182.024 201.079,181.752 ccw(c201.374,182.047) 201.669,181.752 201.942,182.025 202.054,182.025 cw(c202.054,181.827) 202.252,181.827 202.252,181.442 ccw(c202.669,181.442) 202.669,181.025 ccw(c202.669,181.442) 203.087,181.442 203.087,182.827 cw(c203.284,182.827) 203.284,183.025 cw(c203.284,182.827) 203.482,182.827 203.482,181.442 ccw(c203.899,181.442) 203.899,181.025 ccw(c203.899,181.442) 204.317,181.442 204.317,181.827 cw(c204.514,181.827) 204.514,182.025 209.486,182.025 217.081,189.62 221.769,189.62 225.098,192.949 225.098,195.104 225.581,195.587 228.969,198.975 228.969,201.05 229.598,201.678 229.598,204.114 229.366,204.346 229.366,205.441 229.598,205.673 229.598,206.109 229.598,209.121 IC4.AA6@229.991,209.515
EXT2.LVDS_N5: IC4.AB6 J11.18 | length 72.1
  TopLayer w0.095: J11.18@196.124,175.768 195.02,175.768 194.964,175.712 194.964,174.875 195.214,174.625 196.898,174.625 197.771,175.498 ccw(c197.632,175.638) 197.771,175.777 197.623,175.925 cw(c197.763,176.065) 197.623,176.205 cw(c197.763,176.065) 197.903,176.205 198.051,176.057 ccw(c198.19,176.196) 198.33,176.057 198.47,176.196 198.959,176.686 201.944,179.671 208.793,179.671 216.346,187.223 221.688,187.223 222.035,187.569 ccw(c221.895,187.709) 222.092,187.709 ccw(c221.895,187.709) 222.035,187.849 221.762,188.121 cw(c222.058,188.416) 221.762,188.711 cw(c222.058,188.416) 222.353,188.711 223.332,187.732 ccw(c223.472,187.872) 223.611,187.732 ; 223.611,187.732 ccw(c223.472,187.872) 223.669,187.872 ccw(c223.472,187.872) 223.611,188.011 222.632,188.991 cw(c222.927,189.286) 222.632,189.581 cw(c222.927,189.286) 223.222,189.581 224.202,188.602 ccw(c224.341,188.742) 224.481,188.601 ; 224.481,188.602 ccw(c224.341,188.741) 224.539,188.741 ccw(c224.341,188.741) 224.481,188.881 223.502,189.86 cw(c223.797,190.156) 223.502,190.451 cw(c223.797,190.156) 224.092,190.451 225.072,189.472 ccw(c225.211,189.611) 225.35,189.471 ; 225.351,189.472 ccw(c225.211,189.611) 225.409,189.611 ccw(c225.211,189.611) 225.351,189.751 224.372,190.73 cw(c224.667,191.025) 224.372,191.321 cw(c224.667,191.025) 224.962,191.321 225.234,191.048 ccw(c225.374,191.188) 225.514,191.048 226.199,191.734 226.199,194.491 227.056,195.348 229.58,197.872 229.58,199.061 229.996,199.477 229.996,199.97 230.144,200.118 230.15,200.124 230.15,203.013 230.052,203.111 230.052,204.443 230.284,204.675 230.284,206.041 230.163,206.162 230.163,207.674 230.381,207.892 230.381,208.125 IC4.AB6@229.991,208.515
EXT2.LVDS_N6: IC4.AB8 J11.21 | length 71.3
  TopLayer w0.095: J11.21@193.584,170.688 194.812,171.916 197.396,171.916 197.638,172.158 ccw(c197.343,172.453) 197.76,172.453 ccw(c197.343,172.453) 197.638,172.748 197.442,172.944 cw(c197.582,173.083) 197.442,173.223 ; 197.443,173.224 cw(c197.582,173.083) 197.722,173.223 198.624,172.321 ccw(c198.919,172.616) 199.215,172.321 ccw(c198.919,172.616) 199.337,172.616 ccw(c198.919,172.616) 199.215,172.911 198.235,173.89 cw(c198.375,174.03) 198.235,174.169 ; 198.235,174.17 cw(c198.375,174.03) 198.515,174.17 199.494,173.19 ccw(c199.789,173.486) 200.084,173.19 ccw(c199.789,173.486) 200.207,173.486 ccw(c199.789,173.486) 200.084,173.781 199.105,174.76 cw(c199.245,174.9) 199.105,175.039 ; 199.106,175.04 cw(c199.245,174.9) 199.384,175.04 199.657,174.767 ccw(c199.952,175.062) 200.247,174.767 202.45,176.97 209.181,176.97 216.725,184.514 222.15,184.514 227.765,190.129 227.765,193.326 229.144,194.705 230.355,194.705 231.375,195.725 231.375,198.275 231.643,198.543 231.643,203.067 231.687,203.111 231.687,203.789 231.643,203.833 231.643,206.842 231.798,206.996 231.798,208.024 231.991,208.218 IC4.AB8@231.991,208.515
EXT2.LVDS_N7: IC4.Y9 J11.24 | length 71.1
  TopLayer w0.095: J11.24@196.124,168.148 195.533,168.148 195.076,168.605 195.076,168.885 195.414,169.223 200.738,169.223 202.569,171.054 202.569,172.703 204.22,174.354 209.537,174.354 217.258,182.076 221.907,182.076 229.476,189.645 230.905,189.645 231.435,190.176 231.435,194.004 232.036,194.605 232.936,194.605 233.75,195.42 233.75,197.044 233.162,197.632 232.575,198.22 232.575,205.025 ; 232.575,205.149 232.575,205.025 ; IC4.Y9@232.991,210.515 232.598,210.121 232.598,207.679 232.575,207.656 232.575,207.05 232.575,206.852 232.575,206.457 232.575,206.26 ccw(c232.772,206.26) 232.772,206.062 232.955,206.062 cw(c232.955,205.865) 233.153,205.865 cw(c232.955,205.865) 232.955,205.667 232.772,205.667 ccw(c232.772,205.47) 232.575,205.47 232.575,205.272 232.575,205.025
EXT2.LVDS_P0: IC4.V4 J11.2 | length 63
  TopLayer w0.095: v2@227.505,211.979 227.526,211.957 227.991,212.422 IC4.V4@227.991,212.515
  BottomLayer w0.095: J11.2@196.124,196.088 195.457,195.42 195.457,195.072 195.711,194.818 196.504,194.818 ccw(c196.504,194.984) 196.67,194.984 cw(c197.088,194.984) 197.088,195.402 cw(c197.088,194.984) 197.505,194.984 197.505,194.015 ccw(c197.703,194.015) 197.703,193.818 ccw(c197.703,194.015) 197.9,194.015 197.9,195.4 cw(c198.318,195.4) 198.318,195.818 cw(c198.318,195.4) 198.735,195.4 198.735,195.016 ccw(c198.933,195.016) 198.933,194.818 199.336,194.818 199.416,194.897 cw(c199.711,194.602) 200.006,194.897 200.278,194.625 ccw(c200.418,194.765) 200.557,194.624 ccw(c200.418,194.765) 200.615,194.765 ccw(c200.418,194.765) 200.558,194.904 199.578,195.884 cw(c199.873,196.179) 199.578,196.474 cw(c199.873,196.179) 200.169,196.474 201.148,195.495 ccw(c201.288,195.634) 201.427,195.494 ; 201.427,195.495 ccw(c201.288,195.634) 201.485,195.634 ccw(c201.288,195.634) 201.427,195.774 200.448,196.753 cw(c200.743,197.049) 200.448,197.344 cw(c200.743,197.049) 201.038,197.344 201.311,197.072 ccw(c201.45,197.211) 201.59,197.071 201.874,197.356 202.077,197.356 205.386,197.356 205.394,197.356 ccw(c205.394,197.553) 205.592,197.553 205.592,197.74 cw(c205.789,197.74) 205.789,197.938 cw(c205.789,197.74) 205.987,197.74 205.987,197.553 ccw(c206.184,197.553) 206.184,197.356 211.219,197.356 214.263,200.4 214.644,200.4 ccw(c214.644,200.537) 214.782,200.537 214.782,200.692 cw(c215.189,200.692) 215.597,200.692 215.597,199.991 ccw(c215.784,199.991) 215.972,199.991 215.972,200.692 cw(c216.379,200.692) 216.787,200.692 216.787,199.991 ccw(c216.974,199.991) 217.162,199.991 cw(c217.569,199.992) 217.569,200.4 218.367,200.4 ccw(c218.367,200.598) 218.565,200.598 218.565,200.982 cw(c218.982,200.982) 219.4,200.982 219.4,200.598 ccw(c219.597,200.598) 219.597,200.4 220.158,200.4 220.237,200.479 ; 220.238,200.479 ccw(c220.098,200.619) 220.295,200.619 ccw(c220.098,200.619) 220.238,200.758 219.966,201.03 cw(c220.261,201.326) 219.965,201.621 cw(c220.261,201.326) 220.556,201.621 220.904,201.273 ccw(c220.968,201.336) 221.031,201.273 ; 221.031,201.273 223.405,203.647 223.405,204.862 223.405,209.062 223.749,209.405 225.928,211.585 226.224,211.585 226.246,211.607 227.152,211.607 227.48,211.935 v2(227.505,211.935)
EXT2.LVDS_P1: IC4.Y3 J11.5 | length 64.5
  TopLayer w0.095: v2(226.491,210.015) IC4.Y3@226.991,210.515
  BottomLayer w0.095: J11.5@193.584,191.008 194.689,191.008 194.744,191.064 194.744,191.848 195.276,192.38 195.559,192.38 197.209,192.38 ccw(c197.209,192.577) 197.407,192.577 197.407,192.662 cw(c197.824,192.662) 197.824,193.08 cw(c197.824,192.662) 198.242,192.662 198.242,191.877 ccw(c198.439,191.877) 198.439,191.68 ccw(c198.439,191.877) 198.637,191.877 198.637,192.662 cw(c199.054,192.662) 199.054,193.08 cw(c199.054,192.662) 199.472,192.662 199.472,191.877 ccw(c199.669,191.877) 199.669,191.68 ccw(c199.669,191.877) 199.867,191.877 199.867,191.962 cw(c200.284,191.962) 200.284,192.38 200.556,192.38 200.635,192.459 ccw(c200.495,192.598) 200.693,192.598 ccw(c200.495,192.598) 200.635,192.738 200.575,192.798 cw(c200.87,193.093) 200.575,193.389 cw(c200.87,193.093) 201.165,193.389 201.72,192.834 ccw(c201.86,192.973) 202,192.834 ; 202,192.834 ccw(c201.86,192.973) 202.057,192.973 ccw(c201.86,192.973) 202,193.113 201.444,193.668 cw(c201.74,193.963) 201.444,194.258 cw(c201.74,193.963) 202.035,194.258 202.59,193.703 ccw(c202.73,193.843) 202.869,193.703 ; 202.869,193.703 ccw(c202.73,193.843) 202.927,193.843 ccw(c202.73,193.843) 202.869,193.983 202.809,194.043 cw(c203.104,194.338) 202.809,194.633 203.087,194.911 203.29,194.911 ccw(c203.29,195.108) 203.488,195.108 203.488,195.193 cw(c203.905,195.193) 203.905,195.611 cw(c203.905,195.193) 204.323,195.193 204.323,195.109 ccw(c204.52,195.109) 204.52,194.911 209.173,194.911 ccw(c209.173,195.108) 209.37,195.108 209.37,195.193 cw(c209.788,195.193) 209.788,195.611 cw(c209.788,195.193) 210.205,195.193 210.205,195.109 ccw(c210.403,195.109) 210.403,194.911 210.815,194.911 210.895,194.99 cw(c211.19,194.695) 211.485,194.99 211.545,194.93 ccw(c211.685,195.07) 211.824,194.93 ; 211.825,194.93 ccw(c211.685,195.07) 211.882,195.07 ccw(c211.685,195.07) 211.824,195.209 211.269,195.764 cw(c211.565,196.06) 211.269,196.355 cw(c211.565,196.06) 211.86,196.355 212.415,195.8 ccw(c212.555,195.939) 212.694,195.799 ; 212.694,195.8 ccw(c212.555,195.939) 212.752,195.939 ccw(c212.555,195.939) 212.694,196.079 212.139,196.634 cw(c212.434,196.929) 212.139,197.225 cw(c212.434,196.929) 212.73,197.225 213.285,196.67 ccw(c213.424,196.809) 213.564,196.669 ; 213.564,196.67 ccw(c213.424,196.809) 213.622,196.809 ccw(c213.424,196.809) 213.564,196.949 213.009,197.504 cw(c213.304,197.799) 213.009,198.094 cw(c213.304,197.799) 213.599,198.094 214.154,197.539 ccw(c214.294,197.679) 214.433,197.539 ; 214.434,197.539 ccw(c214.294,197.679) 214.492,197.679 ccw(c214.294,197.679) 214.434,197.819 213.879,198.374 cw(c214.174,198.669) 213.879,198.964 cw(c214.174,198.669) 214.469,198.964 214.529,198.904 ccw(c214.669,199.044) 214.808,198.904 215.304,199.4 220.86,199.4 224.38,202.92 224.624,203.164 224.624,207.364 224.624,208.986 225.263,209.625 225.266,209.625 225.285,209.644 225.306,209.644 225.316,209.653 225.806,209.653 225.834,209.625 226.101,209.625 v2(226.491,210.015)
EXT2.LVDS_P2: IC4.W6 J11.8 | length 66.4
  TopLayer w0.095: v2(229.491,211.015) IC4.W6@229.991,211.515
  BottomLayer w0.095: J11.8@196.124,188.468 196.124,188.298 195.457,187.63 195.279,187.63 195.05,187.858 195.05,189.078 195.533,189.56 201.722,189.56 204.347,192.185 209.223,192.185 ccw(c209.223,192.602) 209.641,192.602 209.641,192.987 cw(c209.838,192.987) 209.838,193.185 cw(c209.838,192.987) 210.036,192.987 210.036,191.602 ccw(c210.453,191.602) 210.453,191.185 ccw(c210.453,191.602) 210.871,191.602 210.871,192.987 cw(c211.068,192.987) 211.068,193.185 cw(c211.068,192.987) 211.266,192.987 211.266,191.602 ccw(c211.683,191.602) 211.683,191.185 ccw(c211.683,191.602) 212.101,191.602 212.101,192.987 cw(c212.298,192.987) 212.298,193.185 cw(c212.298,192.987) 212.496,192.987 212.496,191.602 ccw(c212.913,191.602) 212.913,191.185 ccw(c212.913,191.602) 213.331,191.602 213.331,192.987 cw(c213.528,192.987) 213.528,193.185 cw(c213.528,192.987) 213.726,192.987 213.726,191.602 ccw(c214.143,191.602) 214.143,191.185 ccw(c214.143,191.602) 214.561,191.602 214.561,191.987 cw(c214.758,191.987) 214.758,192.185 215.334,192.185 216.479,193.33 216.479,196.571 217.063,197.155 220.628,197.155 225.8,202.327 225.8,207.569 226.261,208.03 226.961,208.03 227.21,208.279 227.394,208.464 227.394,209.789 228.214,210.609 228.682,210.609 229.088,211.015 v2(229.491,211.015)
EXT2.LVDS_P3: IC4.Y8 J11.11 | length 69.9
  TopLayer w0.095: v2(231.491,210.015) IC4.Y8@231.991,210.515
  BottomLayer w0.095: J11.11@193.584,183.388 194.043,183.388 194.779,182.651 194.779,182.357 195.137,182 199.57,182 201.019,183.449 201.019,185.268 201.098,185.347 ccw(c200.803,185.642) 201.221,185.642 ccw(c200.803,185.642) 201.098,185.937 200.844,186.191 cw(c200.984,186.331) 200.844,186.47 cw(c200.984,186.331) 201.123,186.471 202.067,185.527 ccw(c202.362,185.823) 202.657,185.527 ccw(c202.362,185.823) 202.779,185.823 ccw(c202.362,185.823) 202.657,186.118 201.714,187.061 cw(c201.854,187.201) 201.714,187.34 cw(c201.854,187.201) 201.993,187.34 202.936,186.397 ccw(c203.232,186.692) 203.527,186.397 ccw(c203.232,186.692) 203.649,186.692 ccw(c203.232,186.692) 203.527,186.988 202.584,187.931 cw(c202.723,188.071) 202.583,188.21 ; 202.584,188.211 cw(c202.723,188.071) 202.863,188.21 203.806,187.267 ccw(c204.101,187.562) 204.397,187.267 ccw(c204.101,187.562) 204.519,187.562 ccw(c204.101,187.562) 204.397,187.857 203.453,188.801 cw(c203.593,188.94) 203.453,189.079 ; 203.454,189.08 cw(c203.593,188.94) 203.733,189.08 203.987,188.826 ccw(c204.282,189.121) 204.577,188.826 205.346,189.594 221.024,189.594 228.969,197.54 228.969,203.58 228.969,207.474 229.775,208.28 230.167,208.28 230.594,208.28 231.101,208.787 231.101,209.625 v2(231.491,210.015)
EXT2.LVDS_P4: IC4.Y6 J11.14 | length 71.3
  TopLayer w0.095: J11.14@195.863,180.848 195.101,180.086 195.101,179.883 195.33,179.654 196.828,179.654 ccw(c196.828,179.852) 197.026,179.852 197.026,180.21 cw(c197.443,180.21) 197.443,180.628 cw(c197.443,180.21) 197.861,180.21 197.861,178.852 ccw(c198.058,178.852) 198.058,178.654 ccw(c198.058,178.852) 198.256,178.852 198.256,179.237 cw(c198.673,179.237) 198.673,179.654 199.26,179.654 199.339,179.733 cw(c199.635,179.438) 199.93,179.733 200.202,179.461 ccw(c200.342,179.601) 200.481,179.461 ccw(c200.342,179.601) 200.539,179.601 ccw(c200.342,179.601) 200.481,179.74 199.502,180.72 cw(c199.797,181.015) 199.502,181.31 cw(c199.797,181.015) 200.093,181.31 201.072,180.331 ccw(c201.211,180.471) 201.351,180.33 ; 201.351,180.331 ccw(c201.211,180.471) 201.409,180.471 ccw(c201.211,180.471) 201.351,180.61 200.372,181.59 cw(c200.667,181.885) 200.372,182.18 cw(c200.667,181.885) 200.962,182.18 201.234,181.908 ccw(c201.374,182.047) 201.514,181.908 201.851,182.245 202.054,182.245 cw(c202.054,181.827) 202.472,181.827 202.472,181.442 ccw(c202.669,181.442) 202.669,181.245 ccw(c202.669,181.442) 202.867,181.442 202.867,182.827 cw(c203.284,182.827) 203.284,183.245 cw(c203.284,182.827) 203.702,182.827 203.702,181.442 ccw(c203.899,181.442) 203.899,181.245 ccw(c203.899,181.442) 204.097,181.442 204.097,181.827 cw(c204.514,181.827) 204.514,182.245 209.395,182.245 216.989,189.84 221.678,189.84 224.878,193.04 224.878,195.195 225.361,195.678 228.749,199.066 228.749,201.141 229.378,201.77 229.378,204.023 229.146,204.255 229.146,205.532 229.378,205.764 229.378,209.448 229.991,210.061 IC4.Y6@229.991,210.515
EXT2.LVDS_P5: IC4.AB7 J11.17 | length 71.9
  TopLayer w0.095: J11.17@193.584,175.768 194.689,175.768 194.744,175.712 194.744,174.784 195.123,174.405 196.989,174.405 202.035,179.451 208.885,179.451 216.437,187.003 221.78,187.003 222.19,187.414 ccw(c221.895,187.709) 222.312,187.709 ccw(c221.895,187.709) 222.19,188.004 221.918,188.277 cw(c222.058,188.416) 221.917,188.555 cw(c222.058,188.416) 222.197,188.556 223.177,187.577 ccw(c223.472,187.872) 223.767,187.577 ccw(c223.472,187.872) 223.889,187.872 ccw(c223.472,187.872) 223.767,188.167 222.788,189.146 cw(c222.927,189.286) 222.787,189.425 cw(c222.927,189.286) 223.067,189.426 224.046,188.446 ccw(c224.341,188.742) 224.637,188.446 ccw(c224.341,188.741) 224.759,188.741 ccw(c224.341,188.741) 224.637,189.037 223.657,190.016 cw(c223.797,190.156) 223.657,190.295 cw(c223.797,190.156) 223.937,190.295 224.916,189.316 ccw(c225.211,189.611) 225.506,189.316 ccw(c225.211,189.611) 225.629,189.611 ccw(c225.211,189.611) 225.506,189.906 224.527,190.886 cw(c224.667,191.025) 224.527,191.165 ; 224.528,191.166 cw(c224.667,191.025) 224.806,191.165 225.079,190.893 ccw(c225.374,191.188) 225.669,190.893 226.419,191.643 226.419,194.4 227.276,195.257 229.8,197.781 229.8,198.969 230.216,199.385 230.216,199.878 230.3,199.963 230.37,200.033 230.37,203.104 230.272,203.203 230.272,204.352 230.504,204.584 230.504,206.132 230.383,206.254 230.383,207.582 230.601,207.801 230.601,208.125 IC4.AB7@230.991,208.515